# KiCad board PiEEG.kicad_pcb (continued)
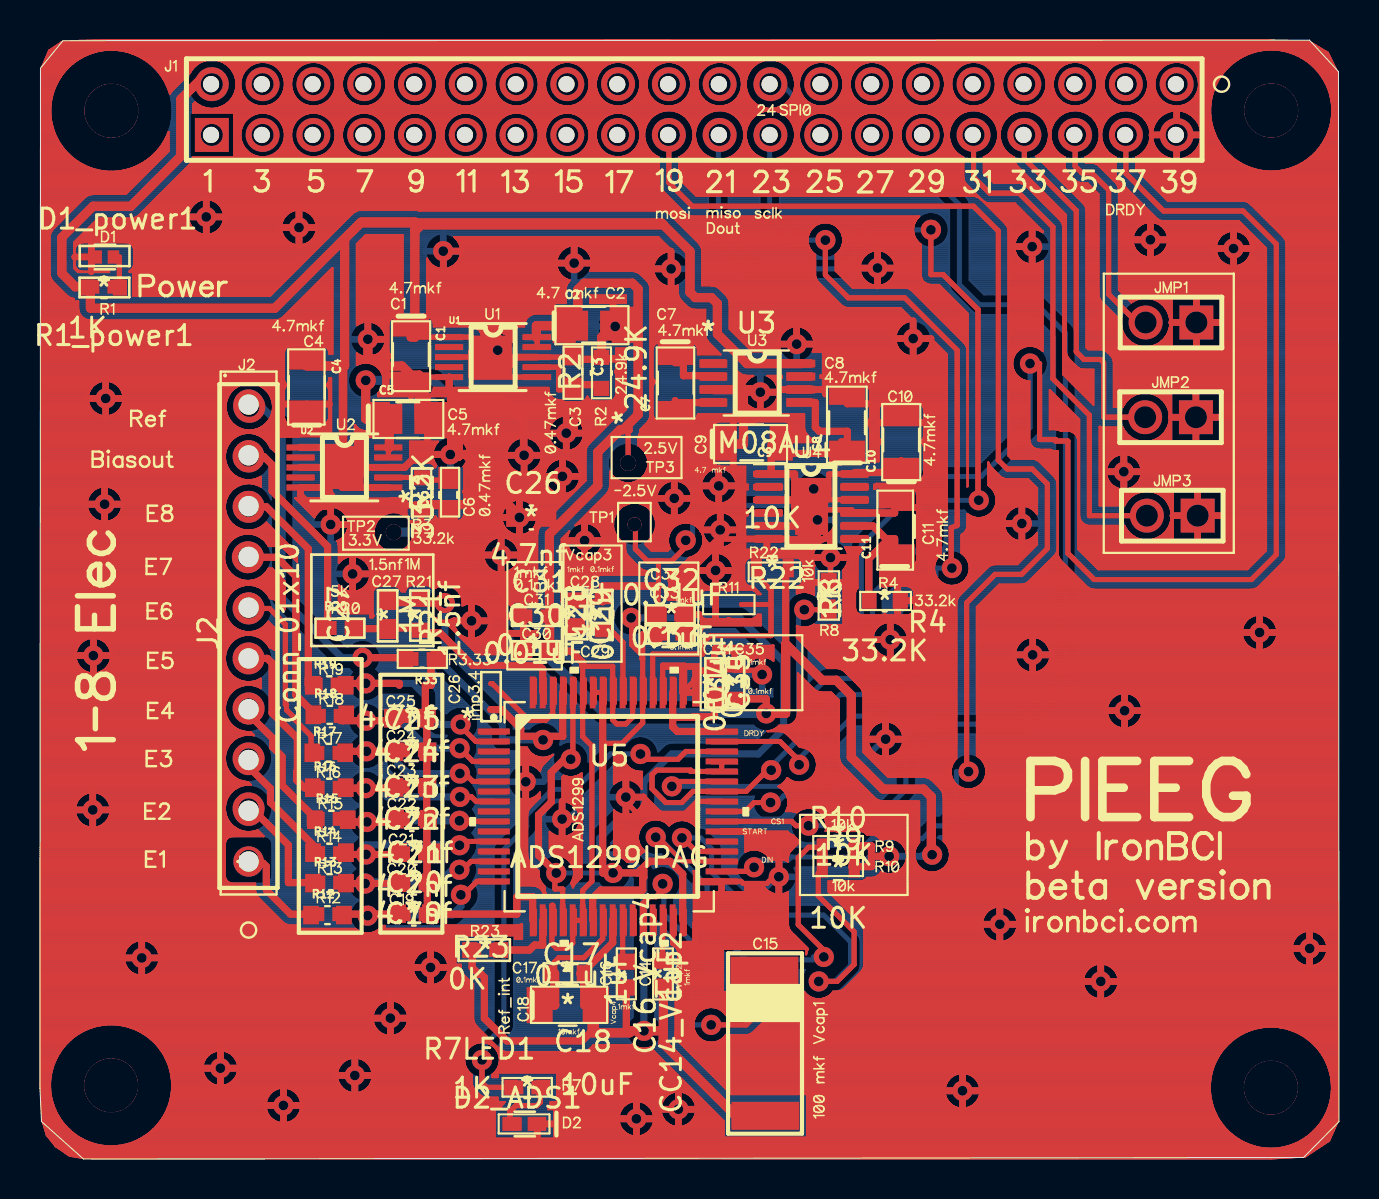
[diagram p0: board, top side]
## Routing (per net, layer and track width the routed paths; a pad name or vN(x,y) marks a point on that pad's centre or on a via; arc(x,y) is an arc through that point) (continued)
; 30.84,32.99 30.83,33.06 ; 30.84,32.99 30.83,33.06 ; 54.86,45.42 54.91,45.36 ; 54.86,45.42 54.91,45.36 ; 56.07,46.71 56.13,46.66 ; 56.07,46.71 56.01,46.75 ; 56.07,46.71 56.01,46.75 ; 56.07,46.71 56.13,46.66 ; 56.13,46.66 56.18,46.62 ; 56.13,46.66 56.18,46.62 ; 9.29,3.69 9.22,3.68 ; 9.29,3.69 9.36,3.72 ; 9.29,3.69 9.36,3.72 ; 9.29,3.69 9.22,3.68 ; 9.22,3.68 9.15,3.66 ; 9.22,3.68 9.15,3.66 ; 48.74,40.23 48.72,40.18 ; 48.74,40.23 48.72,40.18 ; 10.31,33.8 10.4,33.81 ; 10.31,33.8 10.4,33.81 ; 10.31,33.8 10.21,33.79 ; 10.31,33.8 10.21,33.79 ; 10.4,33.81 10.5,33.81 ; 10.4,33.81 10.5,33.81 ; 20.56,50.4 20.49,50.46 ; 20.56,50.4 20.49,50.46 ; 20.56,50.4 20.64,50.33 ; 20.56,50.4 20.64,50.33 ; 43.45,27.21 43.41,27.2 ; 43.45,27.21 43.49,27.22 ; 43.45,27.21 43.41,27.2 ; 43.45,27.21 43.49,27.22 ; 43.41,27.2 43.37,27.2 ; 43.41,27.2 43.37,27.2 ; 29.6,33.82 29.54,33.82 ; 29.6,33.82 29.54,33.82 ; 17.01,41.67 17.06,41.62 ; 17.01,41.67 17.06,41.62 ; 17.01,41.67 16.95,41.71 ; 17.01,41.67 16.95,41.71 ; 17.06,41.62 17.1,41.56 ; 17.06,41.62 17.1,41.56 ; 53.87,48.78 53.89,48.75 ; 53.87,48.78 53.89,48.75 ; 53.87,48.78 53.84,48.81 ; 53.87,48.78 53.84,48.81 ; 19.74,34.66 19.77,34.61 ; 19.74,34.66 19.7,34.71 ; 19.74,34.66 19.77,34.61 ; 19.74,34.66 19.7,34.71 ; 42.29,43.78 42.23,43.75 ; 42.29,43.78 42.35,43.81 ; 42.29,43.78 42.23,43.75 ; 42.29,43.78 42.35,43.81 ; 42.23,43.75 42.16,43.72 ; 42.23,43.75 42.16,43.72 ; 9.26,19.88 9.25,19.97 ; 9.26,19.88 9.28,19.78 ; 9.26,19.88 9.25,19.97 ; 9.26,19.88 9.28,19.78 ; 43.73,15.22 43.73,15.27 ; 43.73,15.22 43.73,15.27 ; 43.73,15.27 43.74,15.32 ; 43.73,15.27 43.74,15.32 ; 23.64,50.14 23.54,50.16 ; 23.64,50.14 23.54,50.16 ; 23.54,50.16 23.44,50.19 ; 23.54,50.16 23.44,50.19 ; 20,28.67 20.05,28.69 ; 20,28.67 20.05,28.69 ; 32.44,32.52 32.4,32.47 ; 32.44,32.52 32.4,32.47 ; 32.4,32.47 32.35,32.42 ; 32.4,32.47 32.35,32.42 ; 21.22,34.49 21.22,33.56 ; 21.22,34.49 21.22,33.56 ; 10.03,53.92 10.05,54.02 ; 10.03,53.92 10.05,54.02 ; 22.26,3.08 22.22,3.09 ; 22.26,3.08 22.3,3.08 ; 22.26,3.08 22.3,3.08 ; 22.26,3.08 22.22,3.09 ; 22.22,3.09 22.18,3.1 ; 22.22,3.09 22.18,3.1 ; 47.8,33.26 47.81,33.21 ; 47.8,33.26 47.78,33.3 ; 47.8,33.26 47.78,33.3 ; 47.8,33.26 47.81,33.21 ; 47.81,33.21 47.82,33.16 ; 47.81,33.21 47.82,33.16 ; 49.61,35.67 49.58,35.7 ; 49.61,35.67 49.64,35.64 ; 49.61,35.67 49.64,35.64 ; 49.61,35.67 49.58,35.7 ; 49.58,35.7 49.56,35.73 ; 49.58,35.7 49.56,35.73 ; 20.36,9.23 20.33,9.17 ; 20.36,9.23 20.33,9.17 ; 20.36,9.23 20.38,9.3 ; 20.36,9.23 20.38,9.3 ; 20.33,9.17 20.29,9.11 ; 20.33,9.17 20.29,9.11 ; 30.77,44.94 30.8,45 ; 30.77,44.94 30.8,45 ; 30.8,45 30.84,45.05 ; 30.8,45 30.84,45.05 ; 7.53,47.54 7.56,47.6 ; 7.53,47.54 7.56,47.6 ; 7.53,47.54 7.5,47.48 ; 7.53,47.54 7.5,47.48 ; 7.56,47.6 7.6,47.66 ; 7.56,47.6 7.6,47.66 ; 19.87,8.76 19.81,8.73 ; 19.87,8.76 19.93,8.79 ; 19.87,8.76 19.81,8.73 ; 19.87,8.76 19.93,8.79 ; 19.81,8.73 19.74,8.72 ; 19.81,8.73 19.74,8.72 ; 25.54,2.81 25.53,2.77 ; 25.54,2.81 25.54,2.85 ; 25.54,2.81 25.53,2.77 ; 25.54,2.81 25.54,2.85 ; 25.53,2.77 25.53,2.73 ; 25.53,2.77 25.53,2.73 ; 53.23,53.53 53.21,53.62 ; 53.23,53.53 53.26,53.43 ; 53.23,53.53 53.21,53.62 ; 53.23,53.53 53.26,53.43 ; 53.21,53.62 53.2,53.72 ; 53.21,53.62 53.2,53.72 ; 47.12,11.68 47.12,11.75 ; 47.12,11.68 47.12,11.75 ; 47.12,11.68 47.13,11.61 ; 47.12,11.68 47.13,11.61 ; 23.64,32.93 23.71,32.95 ; 23.64,32.93 23.71,32.95 ; 23.64,32.93 23.58,32.9 ; 23.64,32.93 23.58,32.9 ; 23.71,32.95 23.78,32.97 ; 23.71,32.95 23.78,32.97 ; 38.96,30.77 39.01,30.81 ; 38.96,30.77 39.01,30.81 ; 38.96,30.77 38.91,30.72 ; 38.96,30.77 38.91,30.72 ; 39.01,30.81 39.07,30.85 ; 39.01,30.81 39.07,30.85 ; 32.41,3.25 32.46,3.21 ; 32.41,3.25 32.34,3.28 ; 32.41,3.25 32.46,3.21 ; 32.41,3.25 32.34,3.28 ; 52.58,54.54 52.65,54.47 ; 52.58,54.54 52.65,54.47 ; 41.12,23.48 41.14,23.44 ; 41.12,23.48 41.14,23.44 ; 41.12,23.48 41.1,23.52 ; 41.12,23.48 41.1,23.52 ; 41.14,23.44 41.16,23.39 ; 41.14,23.44 41.16,23.39 ; 9.7,19.11 9.63,19.18 ; 9.7,19.11 9.63,19.18 ; 9.7,19.11 9.78,19.06 ; 9.7,19.11 9.78,19.06 ; 9.63,19.18 9.56,19.25 ; 9.63,19.18 9.56,19.25 ; 1.12,54.27 1.22,54.39 ; 1.12,54.27 1.04,54.15 ; 1.12,54.27 1.04,54.15 ; 1.12,54.27 1.22,54.39 ; 35.51,53.09 35.46,53.17 ; 35.51,53.09 35.46,53.17 ; 9.37,54.74 9.44,54.67 ; 9.37,54.74 9.44,54.67 ; 9.44,54.67 9.51,54.6 ; 9.44,54.67 9.51,54.6 ; 50.54,51.31 50.55,51.41 ; 50.54,51.31 50.55,51.41 ; 50.54,51.31 50.54,51.21 ; 50.54,51.31 50.54,51.21 ; 50.55,51.41 50.57,51.51 ; 50.55,51.41 50.57,51.51 ; 47.89,50.94 47.87,50.84 ; 47.89,50.94 47.91,51.03 ; 47.89,50.94 47.91,51.03 ; 47.89,50.94 47.87,50.84 ; 58.53,52.51 58.54,52.66 ; 58.53,52.51 58.54,52.66 ; 58.54,52.66 58.55,52.81 ; 58.54,52.66 58.55,52.81 ; 60.5,49.6 60.36,49.66 ; 60.5,49.6 60.36,49.66 ; 20.56,54.61 20.64,54.68 ; 20.56,54.61 20.64,54.68 ; 20.64,54.68 20.72,54.73 ; 20.64,54.68 20.72,54.73 ; 20.2,28.71 20.24,28.71 ; 20.2,28.71 20.15,28.7 ; 20.2,28.71 20.24,28.71 ; 20.2,28.71 20.15,28.7 ; 20.24,28.71 20.29,28.71 ; 20.24,28.71 20.29,28.71 ; 2.58,6.58 2.73,6.63 ; 2.58,6.58 2.73,6.63 ; 2.73,6.63 2.87,6.66 ; 2.73,6.63 2.87,6.66 ; 12.94,54.61 13.02,54.68 ; 12.94,54.61 13.02,54.68 ; 44.01,45.79 43.97,45.82 ; 44.01,45.79 44.05,45.76 ; 44.01,45.79 43.97,45.82 ; 44.01,45.79 44.05,45.76 ; 43.97,45.82 43.94,45.86 ; 43.97,45.82 43.94,45.86 ; 15.54,30.16 15.61,30.16 ; 15.54,30.16 15.61,30.16 ; 15.54,30.16 15.47,30.15 ; 15.54,30.16 15.47,30.15 ; 12.3,36.87 12.27,36.9 ; 12.3,36.87 12.33,36.84 ; 12.3,36.87 12.33,36.84 ; 12.3,36.87 12.27,36.9 ; 4.32,55.4 4.47,55.36 ; 4.32,55.4 4.47,55.36 ; 4.47,55.36 4.61,55.32 ; 4.47,55.36 4.61,55.32 ; 10.16,36.3 10.26,36.32 ; 10.16,36.3 10.06,36.27 ; 10.16,36.3 10.26,36.32 ; 10.16,36.3 10.06,36.27 ; 31.21,1.97 31.17,2.03 ; 31.21,1.97 31.17,2.03 ; 63.29,0.12 64.48,0.92 ; 63.29,0.12 64.48,0.92 ; 56.34,42.52 56.39,42.43 ; 56.34,42.52 56.39,42.43 ; 56.34,42.52 56.28,42.6 ; 56.34,42.52 56.28,42.6 ; 40.16,42.65 40.2,42.63 ; 40.16,42.65 40.2,42.63 ; 54.07,41.77 54.07,41.87 ; 54.07,41.77 54.08,41.68 ; 54.07,41.77 54.08,41.68 ; 54.07,41.77 54.07,41.87 ; 54.07,41.87 54.07,41.92 ; 54.07,41.87 54.07,41.92 ; 9.52,13.8 9.46,13.82 ; 9.52,13.8 9.46,13.82 ; 9.52,13.8 9.57,13.79 ; 9.52,13.8 9.57,13.79 ; 9.46,13.82 9.41,13.86 ; 9.46,13.82 9.41,13.86 ; 34.08,32.79 34.01,32.79 ; 34.08,32.79 34.01,32.79 ; 34.01,32.79 33.94,32.78 ; 34.01,32.79 33.94,32.78 ; 49.7,35.58 49.67,35.61 ; 49.7,35.58 49.67,35.61 ; 11.45,35.75 11.5,35.67 ; 11.45,35.75 11.5,35.67 ; 11.45,35.75 11.39,35.84 ; 11.45,35.75 11.39,35.84 ; 11.5,35.67 11.53,35.6 ; 11.5,35.67 11.53,35.6 ; 25.82,37.99 25.78,38 ; 25.82,37.99 25.78,38 ; 18.66,52.66 18.56,52.68 ; 18.66,52.66 18.56,52.68 ; 4.67,44.63 4.65,44.58 ; 4.67,44.63 4.65,44.58 ; 21.61,3.7 21.61,3.74 ; 21.61,3.7 21.61,3.74 ; 21.61,3.74 21.6,3.78 ; 21.61,3.74 21.6,3.78 ; 9.26,27.72 9.28,27.82 ; 9.26,27.72 9.25,27.62 ; 9.26,27.72 9.28,27.82 ; 9.26,27.72 9.25,27.62 ; 39.25,38.45 39.25,38.49 ; 39.25,38.45 39.25,38.49 ; 39.25,38.49 39.26,38.53 ; 39.25,38.49 39.26,38.53 ; 22.93,4.61 22.95,4.66 ; 22.93,4.61 22.95,4.66 ; 46.5,29.56 46.5,29.51 ; 46.5,29.56 46.5,29.51 ; 46.5,29.56 46.5,29.62 ; 46.5,29.56 46.5,29.62 ; 46.5,29.51 46.5,29.46 ; 46.5,29.51 46.5,29.46 ; 33.73,34.78 33.7,34.81 ; 33.73,34.78 33.7,34.81 ; 33.73,34.78 33.75,34.75 ; 33.73,34.78 33.75,34.75 ; 33.7,34.81 33.68,34.85 ; 33.7,34.81 33.68,34.85 ; 25.24,13.63 25.19,13.68 ; 25.24,13.63 25.19,13.68 ; 25.19,13.68 25.16,13.71 ; 25.19,13.68 25.16,13.71 ; 5.97,10.2 5.98,10.13 ; 5.97,10.2 5.98,10.13 ; 34.84,33.74 34.84,33.68 ; 34.84,33.74 34.84,33.68 ; 34.84,33.74 34.83,33.81 ; 34.84,33.74 34.83,33.81 ; 37.46,19 37.5,18.97 ; 37.46,19 37.5,18.97 ; 17.88,54.47 17.95,54.54 ; 17.88,54.47 17.83,54.39 ; 17.88,54.47 17.83,54.39 ; 17.88,54.47 17.95,54.54 ; 17.95,54.54 18.02,54.61 ; 17.95,54.54 18.02,54.61 ; 46.06,52.29 45.98,52.24 ; 46.06,52.29 45.98,52.24 ; 24.41,52.19 24.32,52.24 ; 24.41,52.19 24.32,52.24 ; 35.54,24.92 35.6,24.97 ; 35.54,24.92 35.6,24.97 ; 4.08,38.45 4.11,38.38 ; 4.08,38.45 4.05,38.51 ; 4.08,38.45 4.11,38.38 ; 4.08,38.45 4.05,38.51 ; 4.11,38.38 4.14,38.32 ; 4.11,38.38 4.14,38.32 ; 31.97,49.05 32.84,48.18 ; 31.97,49.05 32.84,48.18 ; 30.19,15.38 30.23,15.4 ; 30.19,15.38 30.15,15.35 ; 30.19,15.38 30.15,15.35 ; 30.19,15.38 30.23,15.4 ; 30.23,15.4 30.21,15.44 ; 30.23,15.4 30.21,15.44 ; 24.15,17.99 24.22,17.99 ; 24.15,17.99 24.22,17.99 ; 55.1,22.7 55.12,22.63 ; 55.1,22.7 55.08,22.77 ; 55.1,22.7 55.12,22.63 ; 55.1,22.7 55.08,22.77 ; 55.12,22.63 55.13,22.56 ; 55.12,22.63 55.13,22.56 ; 1.8,24.99 1.79,25.05 ; 1.8,24.99 1.79,25.05 ; 27.32,38.03 27.28,37.98 ; 27.32,38.03 27.35,38.08 ; 27.32,38.03 27.28,37.98 ; 27.32,38.03 27.35,38.08 ; 27.28,37.98 27.23,37.95 ; 27.28,37.98 27.23,37.95 ; 27.87,31.57 27.92,31.51 ; 27.87,31.57 27.82,31.61 ; 27.87,31.57 27.92,31.51 ; 27.87,31.57 27.82,31.61 ; 27.92,31.51 27.96,31.46 ; 27.92,31.51 27.96,31.46 ; 9.71,36.08 9.79,36.14 ; 9.71,36.08 9.79,36.14 ; 9.79,36.14 9.88,36.19 ; 9.79,36.14 9.88,36.19 ; 45.23,28.76 45.18,28.78 ; 45.23,28.76 45.27,28.74 ; 45.23,28.76 45.18,28.78 ; 45.23,28.76 45.27,28.74 ; 45.18,28.78 45.14,28.81 ; 45.18,28.78 45.14,28.81 ; 24.89,50.89 24.86,50.8 ; 24.89,50.89 24.92,50.99 ; 24.89,50.89 24.92,50.99 ; 24.89,50.89 24.86,50.8 ; 24.86,50.8 24.82,50.71 ; 24.86,50.8 24.82,50.71 ; 62.82,9.96 62.87,9.91 ; 62.82,9.96 62.87,9.91 ; 33.47,7.6 33.52,7.6 ; 33.47,7.6 33.52,7.6 ; 33.52,7.6 33.57,7.6 ; 33.52,7.6 33.57,7.6 ; 9.41,26.95 9.36,27.04 ; 9.41,26.95 9.46,26.87 ; 9.41,26.95 9.46,26.87 ; 9.41,26.95 9.36,27.04 ; 9.36,27.04 9.32,27.13 ; 9.36,27.04 9.32,27.13 ; 31.43,16.74 31.47,16.69 ; 31.43,16.74 31.47,16.69 ; 31.47,16.69 31.51,16.73 ; 31.47,16.69 31.51,16.73 ; 31.18,47.44 31.23,47.43 ; 31.18,47.44 31.23,47.43 ; 31.18,47.44 31.13,47.44 ; 31.18,47.44 31.13,47.44 ; 31.23,47.43 31.27,47.42 ; 31.23,47.43 31.27,47.42 ; 16.64,4.1 16.63,4.03 ; 16.64,4.1 16.63,4.03 ; 35.61,15.48 35.29,15.48 35.61,15.48 ; 16.02,52.68 15.92,52.7 ; 16.02,52.68 16.12,52.66 ; 16.02,52.68 16.12,52.66 ; 16.02,52.68 15.92,52.7 ; 15.92,52.7 15.82,52.73 ; 15.92,52.7 15.82,52.73 ; 30.8,16.99 30.85,16.99 ; 30.8,16.99 30.85,16.99 ; 30.85,16.99 30.9,16.99 ; 30.85,16.99 30.9,16.99 ; 47.5,34.7 47.48,34.73 ; 47.5,34.7 47.48,34.73 ; 55.54,40.64 55.44,40.62 ; 55.54,40.64 55.44,40.62 ; 55.54,40.64 55.64,40.66 ; 55.54,40.64 55.64,40.66 ; 34.47,42.98 34.48,42.93 ; 34.47,42.98 34.45,43.03 ; 34.47,42.98 34.48,42.93 ; 34.47,42.98 34.45,43.03 ; 34.48,42.93 34.49,42.89 ; 34.48,42.93 34.49,42.89 ; 16.2,29.97 16.25,29.92 ; 16.2,29.97 16.25,29.92 ; 16.25,29.92 16.3,29.87 ; 16.25,29.92 16.3,29.87 ; 19.78,32.15 19.79,32.12 ; 19.78,32.15 19.79,32.12 ; 26.35,31.01 26.35,30.94 ; 26.35,31.01 26.35,30.94 ; 23.57,31.31 23.51,31.34 ; 23.57,31.31 23.63,31.28 ; 23.57,31.31 23.63,31.28 ; 23.57,31.31 23.51,31.34 ; 23.51,31.34 23.45,31.38 ; 23.51,31.34 23.45,31.38 ; 33.72,43.69 33.77,43.68 ; 33.72,43.69 33.77,43.68 ; 33.72,43.69 33.67,43.7 ; 33.72,43.69 33.67,43.7 ; 33.77,43.68 33.81,43.66 ; 33.77,43.68 33.81,43.66 ; 41.01,44.44 41,44.51 ; 41.01,44.44 41,44.51 ; 17.43,40.44 17.43,40.57 ; 17.43,40.44 17.43,40.57 ; 45.75,18.83 45.72,18.87 ; 45.75,18.83 45.72,18.87 ; 45.75,18.83 45.78,18.79 ; 45.75,18.83 45.78,18.79 ; 50.75,54.21 50.72,54.12 ; 50.75,54.21 50.72,54.12 ; 43.22,40.28 43.16,40.32 ; 43.22,40.28 43.16,40.32 ; 43.22,40.28 43.28,40.25 ; 43.22,40.28 43.28,40.25 ; 43.16,40.32 43.11,40.36 ; 43.16,40.32 43.11,40.36 ; 45.56,19.53 45.57,19.58 ; 45.56,19.53 45.56,19.48 ; 45.56,19.53 45.57,19.58 ; 45.56,19.53 45.56,19.48 ; 55.37,53.43 55.34,53.34 ; 55.37,53.43 55.4,53.53 ; 55.37,53.43 55.4,53.53 ; 55.37,53.43 55.34,53.34 ; 55.34,53.34 55.3,53.25 ; 55.34,53.34 55.3,53.25 ; 3.15,31.87 3.08,31.88 ; 3.15,31.87 3.22,31.87 ; 3.15,31.87 3.08,31.88 ; 3.15,31.87 3.22,31.87 ; 3.08,31.88 3.01,31.9 ; 3.08,31.88 3.01,31.9 ; 4.2,10.14 4.2,10.07 ; 4.2,10.14 4.2,10.07 ; 42.79,44.58 42.79,44.57 ; 42.79,44.58 42.78,44.64 ; 42.79,44.58 42.78,44.64 ; 42.79,44.58 42.79,44.57 ; 42.79,44.57 42.78,44.5 ; 42.79,44.57 42.78,44.5 ; 25.01,18.34 24.97,18.29 ; 25.01,18.34 24.97,18.29 ; 6.43,50.42 6.43,51.38 ; 6.43,50.42 6.43,51.38 ; 26.18,52.33 26.28,52.34 ; 26.18,52.33 26.28,52.34 ; 26.28,52.34 26.38,52.35 ; 26.28,52.34 26.38,52.35 ; 3.13,24.42 3.07,24.39 ; 3.13,24.42 3.19,24.46 ; 3.13,24.42 3.19,24.46 ; 3.13,24.42 3.07,24.39 ; 3.07,24.39 3,24.36 ; 3.07,24.39 3,24.36 ; 24.62,36 24.56,36.03 ; 24.62,36 24.56,36.03 ; 0.66,43.88 0.63,43.91 ; 0.66,43.88 1.3,43.24 ; 0.66,43.88 0.63,43.91 ; 0.66,43.88 1.3,43.24 ; 0.63,43.91 0.6,43.95 ; 0.63,43.91 0.6,43.95 ; 24.49,54.67 24.57,54.61 ; 24.49,54.67 24.57,54.61 ; 24.49,54.67 24.41,54.73 ; 24.49,54.67 24.41,54.73 ; 24.57,54.61 24.64,54.54 ; 24.57,54.61 24.64,54.54 ; 12.02,30.64 12.06,30.62 ; 12.02,30.64 12.06,30.62 ; 12.06,30.62 12.1,30.61 ; 12.06,30.62 12.1,30.61 ; 25.54,2.85 25.86,2.85 ; 25.54,2.85 25.86,2.85 ; 27.54,37.96 27.49,37.99 ; 27.54,37.96 27.59,37.93 ; 27.54,37.96 27.49,37.99 ; 27.54,37.96 27.59,37.93 ; 27.49,37.99 27.45,38.04 ; 27.49,37.99 27.45,38.04 ; 33.33,30.21 33.39,30.24 ; 33.33,30.21 33.39,30.24 ; 33.39,30.24 33.46,30.27 ; 33.39,30.24 33.46,30.27 ; 36.01,13.75 35.97,13.74 ; 36.01,13.75 35.97,13.74 ; 35.97,13.74 35.92,13.73 ; 35.97,13.74 35.92,13.73 ; 60.99,25.45 60.92,25.45 ; 60.99,25.45 60.92,25.45 ; 60.92,25.45 60.85,25.46 ; 60.92,25.45 60.85,25.46 ; 49.93,26.07 50,26.05 ; 49.93,26.07 50,26.05 ; 49.93,26.07 49.87,26.09 ; 49.93,26.07 49.87,26.09 ; 50,26.05 50.06,26.02 ; 50,26.05 50.06,26.02 ; 56.44,41.36 56.47,41.46 ; 56.44,41.36 56.47,41.46 ; 37.29,13.29 37.22,13.27 ; 37.29,13.29 37.22,13.27 ; 43.49,43.54 43.45,43.56 ; 43.49,43.54 43.45,43.56 ; 45.61,53.53 45.64,53.43 ; 45.61,53.53 45.64,53.43 ; 38.2,31.34 38.23,31.38 ; 38.2,31.34 38.23,31.38 ; 23.74,52.66 23.64,52.68 ; 23.74,52.66 23.64,52.68 ; 9.28,25.32 9.31,25.42 ; 9.28,25.32 9.31,25.42 ; 9.28,25.32 9.26,25.22 ; 9.28,25.32 9.26,25.22 ; 9.31,25.42 9.35,25.51 ; 9.31,25.42 9.35,25.51 ; 29.05,15.12 29.09,15.1 ; 29.05,15.12 29,15.14 ; 29.05,15.12 29,15.14 ; 29.05,15.12 29.09,15.1 ; 29.09,15.1 29.13,15.07 ; 29.09,15.1 29.13,15.07 ; 21.12,35.92 21.17,35.87 ; 21.12,35.92 21.17,35.87 ; 21.17,35.87 21.22,35.82 ; 21.17,35.87 21.22,35.82 ; 15.14,28.53 15.2,28.49 ; 15.14,28.53 15.2,28.49 ; 18.74,9.19 18.77,9.13 ; 18.74,9.19 18.77,9.13 ; 23.57,41.05 23.62,40.99 ; 23.57,41.05 23.62,40.99 ; 30.62,50.32 30.55,50.39 ; 30.62,50.32 30.55,50.39 ; 30.62,50.32 30.7,50.26 ; 30.62,50.32 30.7,50.26 ; 30.55,50.39 30.49,50.47 ; 30.55,50.39 30.49,50.47 ; 14.44,38.88 14.41,38.82 ; 14.44,38.88 14.41,38.82 ; 33.46,26.69 33.5,26.7 ; 33.46,26.69 33.5,26.7 ; 42.1,50.23 42.01,50.19 ; 42.1,50.23 42.01,50.19 ; 42.1,50.23 42.19,50.28 ; 42.1,50.23 42.19,50.28 ; 42.01,50.19 41.91,50.16 ; 42.01,50.19 41.91,50.16 ; 56.07,42.81 56.15,42.75 ; 56.07,42.81 56.15,42.75 ; 36.47,7.19 36.45,7.15 ; 36.47,7.19 36.49,7.23 ; 36.47,7.19 36.49,7.23 ; 36.47,7.19 36.45,7.15 ; 36.45,7.15 36.43,7.12 ; 36.45,7.15 36.43,7.12 ; 26.25,15.09 26.3,15.07 ; 26.25,15.09 26.21,15.11 ; 26.25,15.09 26.3,15.07 ; 26.25,15.09 26.21,15.11 ; 26.3,15.07 26.34,15.04 ; 26.3,15.07 26.34,15.04 ; 53.26,53.43 53.29,53.34 ; 53.26,53.43 53.29,53.34 ; 23.95,18.05 23.89,18.08 ; 23.95,18.05 23.89,18.08 ; 23.89,18.08 23.88,18.09 ; 23.89,18.08 23.88,18.09 ; 20.37,54.39 20.31,54.3 ; 20.37,54.39 20.31,54.3 ; 56.51,37.06 56.5,36.96 ; 56.51,37.06 56.51,37.16 ; 56.51,37.06 56.5,36.96 ; 56.51,37.06 56.51,37.16 ; 64.57,4.1 64.6,3.95 ; 64.57,4.1 64.6,3.95 ; 64.6,3.95 64.61,3.81 ; 64.6,3.95 64.61,3.81 ; 50.88,33.9 50.89,33.86 ; 50.88,33.9 50.87,33.93 ; 50.88,33.9 50.89,33.86 ; 50.88,33.9 50.87,33.93 ; 50.89,33.86 50.89,33.82 ; 50.89,33.86 50.89,33.82 ; 33.7,36.74 33.68,36.7 ; 33.7,36.74 33.68,36.7 ; 24,20.59 23.96,20.6 ; 24,20.59 23.96,20.6 ; 24,20.59 24.05,20.59 ; 24,20.59 24.05,20.59 ; 23.96,20.6 23.92,20.6 23.96,20.6 ; 50.92,36.49 50.96,36.48 ; 50.92,36.49 50.88,36.5 ; 50.92,36.49 50.96,36.48 ; 50.92,36.49 50.88,36.5 ; 42.42,45.29 42.48,45.25 ; 42.42,45.29 42.36,45.33 ; 42.42,45.29 42.48,45.25 ; 42.42,45.29 42.36,45.33 ; 42.48,45.25 42.53,45.2 ; 42.48,45.25 42.53,45.2 ; 26.03,44.25 25.99,44.31 ; 26.03,44.25 25.99,44.31 ; 26.03,44.25 26.08,44.2 ; 26.03,44.25 26.08,44.2 ; 25.99,44.31 25.95,44.36 ; 25.99,44.31 25.95,44.36 ; 37.42,16.35 37.39,16.38 ; 37.42,16.35 37.48,16.29 ; 37.42,16.35 37.48,16.29 ; 37.42,16.35 37.39,16.38 ; 37.39,16.38 35.28,16.38 ; 37.39,16.38 35.28,16.38 ; 23.52,32.86 23.58,32.9 ; 23.52,32.86 23.58,32.9 ; 58.98,5.19 59.06,5.32 ; 58.98,5.19 59.06,5.32 ; 58.98,5.19 58.9,5.06 ; 58.98,5.19 58.9,5.06 ; 59.06,5.32 59.15,5.44 ; 59.06,5.32 59.15,5.44 ; 24.92,51.48 24.94,51.38 ; 24.92,51.48 24.94,51.38 ; 24.94,51.38 24.95,51.28 ; 24.94,51.38 24.95,51.28 ; 54.55,52.45 54.65,52.42 ; 54.55,52.45 54.65,52.42 ; 26.87,16.53 26.83,16.48 ; 26.87,16.53 26.83,16.48 ; 26.87,16.53 26.91,16.59 ; 26.87,16.53 26.91,16.59 ; 26.83,16.48 26.79,16.42 ; 26.83,16.48 26.79,16.42 ; 20.8,28.52 20.84,28.48 ; 20.8,28.52 20.76,28.55 ; 20.8,28.52 20.76,28.55 ; 20.8,28.52 20.84,28.48 ; 20.84,28.48 20.88,28.45 ; 20.84,28.48 20.88,28.45 ; 49.72,40.67 49.67,40.68 ; 49.72,40.67 49.67,40.68 ; 44.86,29.09 44.83,29.13 ; 44.86,29.09 44.83,29.13 ; 39.33,16.78 39.33,16.73 ; 39.33,16.78 39.33,16.73 ; 39.33,16.78 39.32,16.83 ; 39.33,16.78 39.32,16.83 ; 39.33,16.73 39.33,16.68 ; 39.33,16.73 39.33,16.68 ; 23.42,41.19 23.36,41.23 ; 23.42,41.19 23.36,41.23 ; 29.41,18.99 29.48,18.98 ; 29.41,18.99 29.48,18.98 ; 6.45,53.46 6.5,53.32 ; 6.45,53.46 6.5,53.32 ; 6.5,53.32 6.5,53.3 ; 6.5,53.32 6.5,53.3 ; 36.5,7.26 36.49,7.23 ; 36.5,7.26 36.5,7.3 ; 36.5,7.26 36.5,7.3 ; 36.5,7.26 36.49,7.23 ; 11.7,41.96 2.52,41.96 ; 11.7,41.96 11.8,41.96 ; 11.7,41.96 11.8,41.96 ; 11.7,41.96 2.52,41.96 ; 24.94,53.92 24.92,54.02 ; 24.94,53.92 24.92,54.02 ; 9.75,23.51 9.83,23.57 ; 9.75,23.51 9.83,23.57 ; 2.47,33.23 2.51,33.29 ; 2.47,33.23 2.51,33.29 ; 2.51,33.29 2.56,33.35 ; 2.51,33.29 2.56,33.35 ; 41.51,37.1 41.52,37.85 ; 41.51,37.1 41.52,37.85 ; 52.88,53.62 52.86,53.53 ; 52.88,53.62 52.86,53.53 ; 52.88,53.62 52.89,53.72 ; 52.88,53.62 52.89,53.72 ; 52.86,53.53 52.83,53.43 ; 52.86,53.53 52.83,53.43 ; 56.43,32.81 56.48,32.72 ; 56.43,32.81 56.48,32.72 ; 56.48,32.72 56.52,32.63 ; 56.48,32.72 56.52,32.63 ; 43.26,41.83 43.32,41.87 ; 43.26,41.83 43.32,41.87 ; 30.33,50.72 30.29,50.82 ; 30.33,50.72 30.29,50.82 ; 9.38,16.06 9.43,16.09 ; 9.38,16.06 9.43,16.09 ; 8.73,47.92 8.79,47.89 ; 8.73,47.92 8.79,47.89 ; 8.73,47.92 8.66,47.95 ; 8.73,47.92 8.66,47.95 ; 8.79,47.89 8.85,47.85 ; 8.79,47.89 8.85,47.85 ; 32.62,33.12 32.61,33.19 ; 32.62,33.12 32.61,33.19 ; 12.18,42.13 12.15,42.1 ; 12.18,42.13 12.15,42.1 ; 26.8,37.07 26.85,37.03 ; 26.8,37.07 26.85,37.03 ; 26.8,37.07 26.73,37.11 ; 26.8,37.07 26.73,37.11 ; 43.63,28.55 43.65,28.52 ; 43.63,28.55 43.6,28.58 ; 43.63,28.55 43.65,28.52 ; 43.63,28.55 43.6,28.58 ; 43.65,28.52 43.68,28.49 ; 43.65,28.52 43.68,28.49 ; 16.2,36.42 16.15,36.43 ; 16.2,36.42 16.15,36.43 ; 16.15,36.43 16.11,36.45 ; 16.15,36.43 16.11,36.45 ; 47.35,52.87 47.27,52.82 ; 47.35,52.87 47.27,52.82 ; 47.35,52.87 47.43,52.94 ; 47.35,52.87 47.43,52.94 ; 10.26,28.71 10.35,28.73 ; 10.26,28.71 10.35,28.73 ; 10.35,28.73 10.45,28.73 ; 10.35,28.73 10.45,28.73 ; 22.1,54.54 22.17,54.47 ; 22.1,54.54 22.17,54.47 ; 22.17,54.47 22.23,54.39 ; 22.17,54.47 22.23,54.39 ; 30.15,15.35 30.12,15.32 ; 30.15,15.35 30.12,15.32 ; 47.73,29.76 47.82,29.76 ; 47.73,29.76 47.69,29.75 ; 47.73,29.76 47.82,29.76 ; 47.73,29.76 47.69,29.75 ; 47.82,29.76 48.88,29.76 ; 47.82,29.76 48.88,29.76 ; 44.34,19.1 44.39,19.09 ; 44.34,19.1 44.39,19.09 ; 44.34,19.1 44.29,19.11 ; 44.34,19.1 44.29,19.11 ; 44.39,19.09 44.43,19.07 ; 44.39,19.09 44.43,19.07 ; 17.1,38.57 17.08,38.52 ; 17.1,38.57 17.12,38.61 ; 17.1,38.57 17.12,38.61 ; 17.1,38.57 17.08,38.52 ; 17.08,38.52 17.05,38.48 ; 17.08,38.52 17.05,38.48 ; 33.94,32.78 33.87,32.79 ; 33.94,32.78 33.87,32.79 ; 33.87,32.79 33.8,32.8 ; 33.87,32.79 33.8,32.8 ; 5.67,10.74 5.73,10.69 ; 5.67,10.74 5.73,10.69 ; 5.73,10.69 5.77,10.64 ; 5.73,10.69 5.77,10.64 ; 12.45,1.83 12.38,1.81 ; 12.45,1.83 12.38,1.81 ; 24.97,18.29 24.92,18.24 ; 24.97,18.29 24.92,18.24 ; 37.48,16.29 37.51,16.26 ; 37.48,16.29 37.51,16.26 ; 50.81,50.47 